# KiCad board oresat-backplane-2u.kicad_pcb (continued)
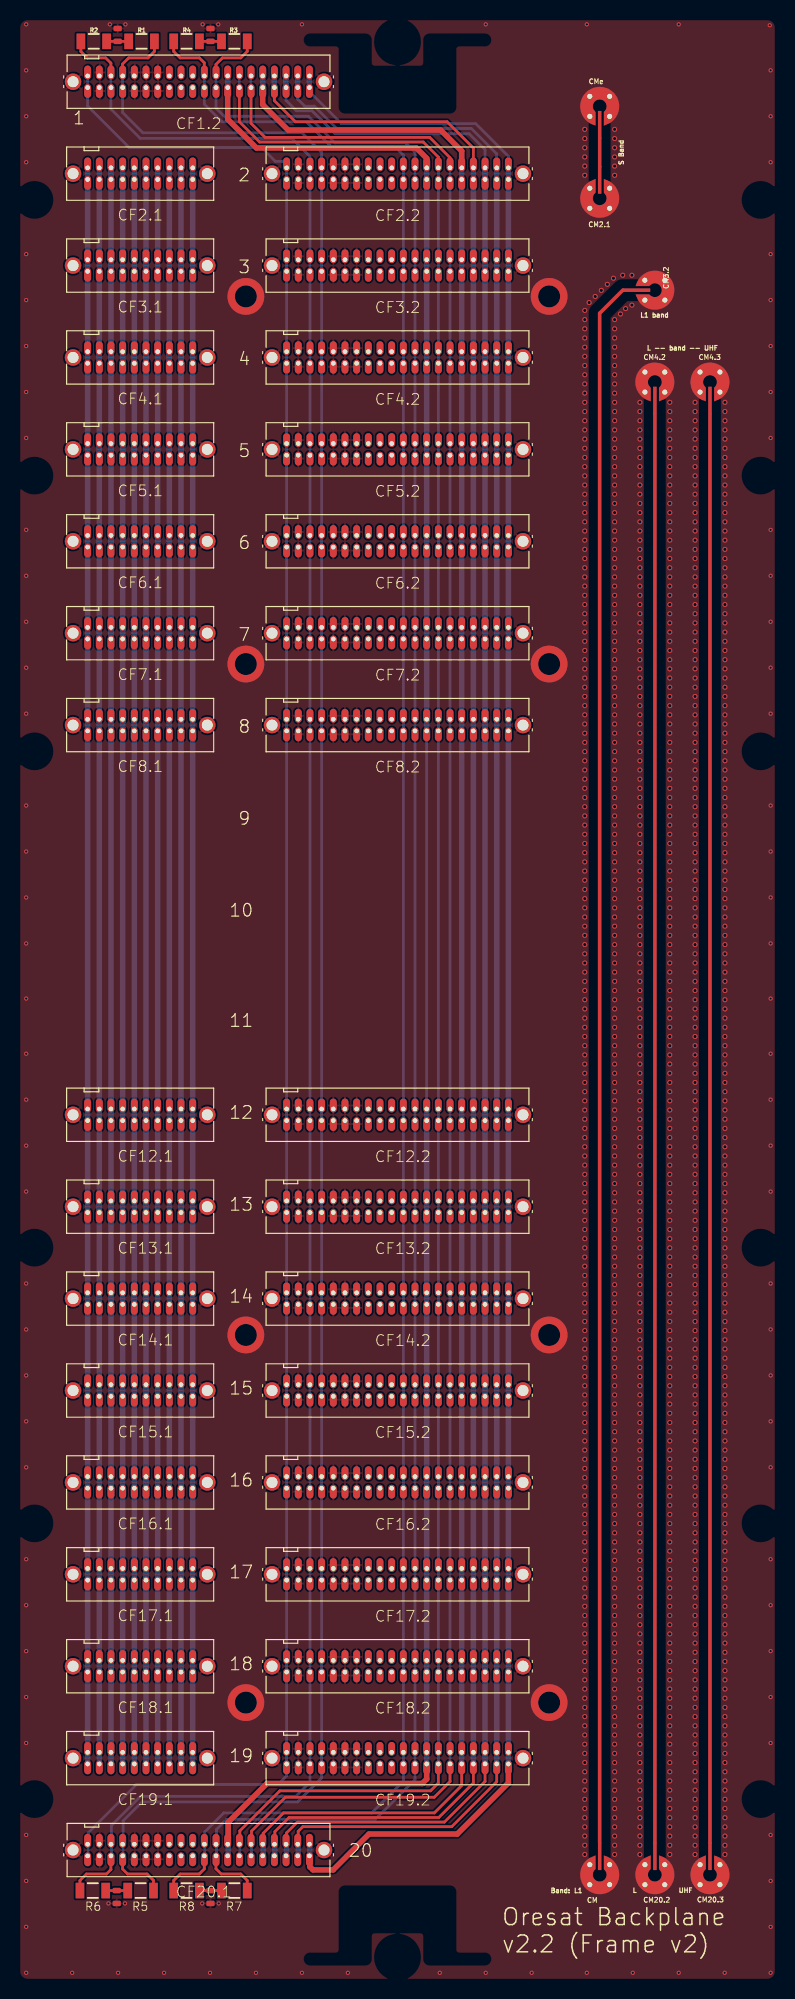
[diagram p0: board, top side]
## Routing (per net, layer and track width the routed paths; a pad name or vN(x,y) marks a point on that pad's centre or on a via; arc(x,y) is an arc through that point)
GND:
  vias: v1(61.63,201.43) v1(61.63,200.43) v1(61.63,199.43) v1(61.63,198.43) v1(61.63,197.43) v1(61.63,196.43) v1(61.63,181.73) v1(61.63,180.73) v1(61.63,179.73) v1(61.63,178.73) v1(61.63,177.73) v1(61.63,176.73) v1(61.63,175.73) v1(61.63,174.73) v1(61.63,173.73) v1(61.63,172.73) v1(61.63,171.73) v1(61.63,170.73) v1(61.63,169.73) v1(61.63,168.73) v1(61.63,167.73) v1(61.63,166.73) v1(61.63,165.73) v1(61.63,164.73) v1(61.63,163.73) v1(61.63,162.73) v1(61.63,161.73) v1(61.63,160.73) v1(61.63,159.73) v1(61.63,158.73) v1(61.63,157.73) v1(61.63,156.73) v1(61.63,155.73) v1(61.63,154.73) v1(61.63,153.73) v1(61.63,152.73) v1(61.63,151.73) v1(61.63,150.73) v1(61.63,149.73) v1(61.63,148.73) v1(61.63,147.73) v1(61.63,146.73) v1(61.63,145.73) v1(61.63,144.73) v1(61.63,143.73) v1(61.63,142.73) v1(61.63,141.73) v1(61.63,140.73) v1(61.63,139.73) v1(61.63,138.73) v1(61.63,137.73) v1(61.63,136.73) v1(61.63,135.73) v1(61.63,134.73) v1(61.63,133.73) v1(61.63,132.73) v1(61.63,131.73) v1(61.63,130.73) v1(61.63,129.73) v1(61.63,128.73) v1(61.63,127.73) v1(61.63,126.73) v1(61.63,125.73) v1(61.63,124.73) v1(61.63,123.73) v1(61.63,122.73) v1(61.63,121.73) v1(61.63,120.73) v1(61.63,119.73) v1(61.63,118.73) v1(61.63,117.73) v1(61.63,116.73) v1(61.63,115.73) v1(61.63,114.73) v1(61.63,113.73) v1(61.63,112.73) v1(61.63,111.73) v1(61.63,110.73) v1(61.63,109.73) v1(61.63,108.73) v1(61.63,107.73) v1(61.63,106.73) v1(61.63,105.73) v1(61.63,104.73) v1(61.63,103.73) v1(61.63,102.73) v1(61.63,101.73) v1(61.63,100.73) v1(61.63,99.73) v1(61.63,98.73) v1(61.63,97.73) v1(61.63,96.73) v1(61.63,95.73) v1(61.63,94.73) v1(61.63,93.73) v1(61.63,92.73) v1(61.63,91.73) v1(61.63,90.73) v1(61.63,89.73) v1(61.63,88.73) v1(61.63,87.73) v1(61.63,86.73) v1(61.63,85.73) v1(61.63,84.73) v1(61.63,83.73) v1(61.63,82.73) v1(61.63,81.73) v1(61.63,80.73) v1(61.63,79.73) v1(61.63,78.73) v1(61.63,77.73) v1(61.63,76.73) v1(61.63,75.73) v1(61.63,74.73) v1(61.63,73.73) v1(61.63,72.73) v1(61.63,71.73) v1(61.63,70.73) v1(61.63,69.73) v1(61.63,68.73) v1(61.63,67.73) v1(61.63,66.73) v1(61.63,65.73) v1(61.63,64.73) v1(61.63,63.73) v1(61.63,62.73) v1(61.63,61.73) v1(61.63,60.73) v1(61.63,59.73) v1(61.63,58.73) v1(61.63,57.73) v1(61.63,56.73) v1(61.63,55.73) v1(61.63,54.73) v1(61.63,53.73) v1(61.63,52.73) v1(61.63,51.73) v1(61.63,50.73) v1(61.63,49.73) v1(61.63,48.73) v1(61.63,47.73) v1(61.63,46.73) v1(61.63,45.73) v1(61.63,44.73) v1(61.63,43.73) v1(61.63,42.73) v1(61.63,41.73) v1(61.63,40.73) v1(61.63,39.73) v1(61.63,38.73) v1(61.63,37.73) v1(61.63,36.73) v1(61.63,35.73) v1(61.63,34.73) v1(61.63,33.73) v1(61.63,32.73) v1(61.63,31.73) v1(61.63,30.73) v1(61.63,29.73) v1(61.63,28.73) v1(61.63,27.73) v1(61.63,26.73) v1(61.63,25.73) v1(61.63,24.73) v1(61.63,23.73) v1(61.63,22.73) v1(61.63,21.73) v1(61.63,20.73) v1(61.63,19.73) v1(61.63,18.73) v1(61.63,17.73) v1(61.63,16.73) v1(61.63,15.73) v1(61.63,14.73) v1(61.63,13.73) v1(62.1,182.58) v1(62.76,183.24) v1(63.42,183.9) v1(64.08,184.57) v1(64.75,185.23) v1(64.88,201.43) v1(64.88,200.43) v1(64.88,199.43) v1(64.88,198.43) v1(64.88,197.43) v1(64.88,196.43) v1(64.88,180.73) v1(64.88,179.73) v1(64.88,178.73) v1(64.88,177.73) v1(64.88,176.73) v1(64.88,175.73) v1(64.88,174.73) v1(64.88,173.73) v1(64.88,172.73) v1(64.88,171.73) v1(64.88,170.73) v1(64.88,169.73) v1(64.88,168.73) v1(64.88,167.73) v1(64.88,166.73) v1(64.88,165.73) v1(64.88,164.73) v1(64.88,163.73) v1(64.88,162.73) v1(64.88,161.73) v1(64.88,160.73) v1(64.88,159.73) v1(64.88,158.73) v1(64.88,157.73) v1(64.88,156.73) v1(64.88,155.73) v1(64.88,154.73) v1(64.88,153.73) v1(64.88,152.73) v1(64.88,151.73) v1(64.88,150.73) v1(64.88,149.73) v1(64.88,148.73) v1(64.88,147.73) v1(64.88,146.73) v1(64.88,145.73) v1(64.88,144.73) v1(64.88,143.73) v1(64.88,142.73) v1(64.88,141.73) v1(64.88,140.73) v1(64.88,139.73) v1(64.88,138.73) v1(64.88,137.73) v1(64.88,136.73) v1(64.88,135.73) v1(64.88,134.73) v1(64.88,133.73) v1(64.88,132.73) v1(64.88,131.73) v1(64.88,130.73) v1(64.88,129.73) v1(64.88,128.73) v1(64.88,127.73) v1(64.88,126.73) v1(64.88,125.73) v1(64.88,124.73) v1(64.88,123.73) v1(64.88,122.73) v1(64.88,121.73) v1(64.88,120.73) v1(64.88,119.73) v1(64.88,118.73) v1(64.88,117.73) v1(64.88,116.73) v1(64.88,115.73) v1(64.88,114.73) v1(64.88,113.73) v1(64.88,112.73) v1(64.88,111.73) v1(64.88,110.73) v1(64.88,109.73) v1(64.88,108.73) v1(64.88,107.73) v1(64.88,106.73) v1(64.88,105.73) v1(64.88,104.73) v1(64.88,103.73) v1(64.88,102.73) v1(64.88,101.73) v1(64.88,100.73) v1(64.88,99.73) v1(64.88,98.73) v1(64.88,97.73) v1(64.88,96.73) v1(64.88,95.73) v1(64.88,94.73) v1(64.88,93.73) v1(64.88,92.73) v1(64.88,91.73) v1(64.88,90.73) v1(64.88,89.73) v1(64.88,88.73) v1(64.88,87.73) v1(64.88,86.73) v1(64.88,85.73) v1(64.88,84.73) v1(64.88,83.73) v1(64.88,82.73) v1(64.88,81.73) v1(64.88,80.73) v1(64.88,79.73) v1(64.88,78.73) v1(64.88,77.73) v1(64.88,76.73) v1(64.88,75.73) v1(64.88,74.73) v1(64.88,73.73) v1(64.88,72.73) v1(64.88,71.73) v1(64.88,70.73) v1(64.88,69.73) v1(64.88,68.73) v1(64.88,67.73) v1(64.88,66.73) v1(64.88,65.73) v1(64.88,64.73) v1(64.88,63.73) v1(64.88,62.73) v1(64.88,61.73) v1(64.88,60.73) v1(64.88,59.73) v1(64.88,58.73) v1(64.88,57.73) v1(64.88,56.73) v1(64.88,55.73) v1(64.88,54.73) v1(64.88,53.73) v1(64.88,52.73) v1(64.88,51.73) v1(64.88,50.73) v1(64.88,49.73) v1(64.88,48.73) v1(64.88,47.73) v1(64.88,46.73) v1(64.88,45.73) v1(64.88,44.73) v1(64.88,43.73) v1(64.88,42.73) v1(64.88,41.73) v1(64.88,40.73) v1(64.88,39.73) v1(64.88,38.73) v1(64.88,37.73) v1(64.88,36.73) v1(64.88,35.73) v1(64.88,34.73) v1(64.88,33.73) v1(64.88,32.73) v1(64.88,31.73) v1(64.88,30.73) v1(64.88,29.73) v1(64.88,28.73) v1(64.88,27.73) v1(64.88,26.73) v1(64.88,25.73) v1(64.88,24.73) v1(64.88,23.73) v1(64.88,22.73) v1(64.88,21.73) v1(64.88,20.73) v1(64.88,19.73) v1(64.88,18.73) v1(64.88,17.73) v1(64.88,16.73) v1(64.88,15.73) v1(64.88,14.73) v1(64.88,13.73) v1(65.51,181.34) v1(65.75,185.55) v1(66.07,181.92) v1(66.75,185.55) v1(66.75,182.3) v1(67.63,171.73) v1(67.63,170.73) v1(67.63,169.73) v1(67.63,168.73) v1(67.63,167.73) v1(67.63,166.73) v1(67.63,165.73) v1(67.63,164.73) v1(67.63,163.73) v1(67.63,162.73) v1(67.63,161.73) v1(67.63,160.73) v1(67.63,159.73) v1(67.63,158.73) v1(67.63,157.73) v1(67.63,156.73) v1(67.63,155.73) v1(67.63,154.73) v1(67.63,153.73) v1(67.63,152.73) v1(67.63,151.73) v1(67.63,150.73) v1(67.63,149.73) v1(67.63,148.73) v1(67.63,147.73) v1(67.63,146.73) v1(67.63,145.73) v1(67.63,144.73) v1(67.63,143.73) v1(67.63,142.73) v1(67.63,141.73) v1(67.63,140.73) v1(67.63,139.73) v1(67.63,138.73) v1(67.63,137.73) v1(67.63,136.73) v1(67.63,135.73) v1(67.63,134.73) v1(67.63,133.73) v1(67.63,132.73) v1(67.63,131.73) v1(67.63,130.73) v1(67.63,129.73) v1(67.63,128.73) v1(67.63,127.73) v1(67.63,126.73) v1(67.63,125.73) v1(67.63,124.73) v1(67.63,123.73) v1(67.63,122.73) v1(67.63,121.73) v1(67.63,120.73) v1(67.63,119.73) v1(67.63,118.73) v1(67.63,117.73) v1(67.63,116.73) v1(67.63,115.73) v1(67.63,114.73) v1(67.63,113.73) v1(67.63,112.73) v1(67.63,111.73) v1(67.63,110.73) v1(67.63,109.73) v1(67.63,108.73) v1(67.63,107.73) v1(67.63,106.73) v1(67.63,105.73) v1(67.63,104.73) v1(67.63,103.73) v1(67.63,102.73) v1(67.63,101.73) v1(67.63,100.73) v1(67.63,99.73) v1(67.63,98.73) v1(67.63,97.73) v1(67.63,96.73) v1(67.63,95.73) v1(67.63,94.73) v1(67.63,93.73) v1(67.63,92.73) v1(67.63,91.73) v1(67.63,90.73) v1(67.63,89.73) v1(67.63,88.73) v1(67.63,87.73) v1(67.63,86.73) v1(67.63,85.73) v1(67.63,84.73) v1(67.63,83.73) v1(67.63,82.73) v1(67.63,81.73) v1(67.63,80.73) v1(67.63,79.73) v1(67.63,78.73) v1(67.63,77.73) v1(67.63,76.73) v1(67.63,75.73) v1(67.63,74.73) v1(67.63,73.73) v1(67.63,72.73) v1(67.63,71.73) v1(67.63,70.73) v1(67.63,69.73) v1(67.63,68.73) v1(67.63,67.73) v1(67.63,66.73) v1(67.63,65.73) v1(67.63,64.73) v1(67.63,63.73) v1(67.63,62.73) v1(67.63,61.73) v1(67.63,60.73) v1(67.63,59.73) v1(67.63,58.73) v1(67.63,57.73) v1(67.63,56.73) v1(67.63,55.73) v1(67.63,54.73) v1(67.63,53.73) v1(67.63,52.73) v1(67.63,51.73) v1(67.63,50.73) v1(67.63,49.73) v1(67.63,48.73) v1(67.63,47.73) v1(67.63,46.73) v1(67.63,45.73) v1(67.63,44.73) v1(67.63,43.73) v1(67.63,42.73) v1(67.63,41.73) v1(67.63,40.73) v1(67.63,39.73) v1(67.63,38.73) v1(67.63,37.73) v1(67.63,36.73) v1(67.63,35.73) v1(67.63,34.73) v1(67.63,33.73) v1(67.63,32.73) v1(67.63,31.73) v1(67.63,30.73) v1(67.63,29.73) v1(67.63,28.73) v1(67.63,27.73) v1(67.63,26.73) v1(67.63,25.73) v1(67.63,24.73) v1(67.63,23.73) v1(67.63,22.73) v1(67.63,21.73) v1(67.63,20.73) v1(67.63,19.73) v1(67.63,18.73) v1(67.63,17.73) v1(67.63,16.73) v1(67.63,15.73) v1(67.63,14.73) v1(67.63,13.73) v1(70.88,171.73) v1(70.88,170.73) v1(70.88,169.73) v1(70.88,168.73) v1(70.88,167.73) v1(70.88,166.73) v1(70.88,165.73) v1(70.88,164.73) v1(70.88,163.73) v1(70.88,162.73) v1(70.88,161.73) v1(70.88,160.73) v1(70.88,159.73) v1(70.88,158.73) v1(70.88,157.73) v1(70.88,156.73) v1(70.88,155.73) v1(70.88,154.73) v1(70.88,153.73) v1(70.88,152.73) v1(70.88,151.73) v1(70.88,150.73) v1(70.88,149.73) v1(70.88,148.73) v1(70.88,147.73) v1(70.88,146.73) v1(70.88,145.73) v1(70.88,144.73) v1(70.88,143.73) v1(70.88,142.73) v1(70.88,141.73) v1(70.88,140.73) v1(70.88,139.73) v1(70.88,138.73) v1(70.88,137.73) v1(70.88,136.73) v1(70.88,135.73) v1(70.88,134.73) v1(70.88,133.73) v1(70.88,132.73) v1(70.88,131.73) v1(70.88,130.73) v1(70.88,129.73) v1(70.88,128.73) v1(70.88,127.73) v1(70.88,126.73) v1(70.88,125.73) v1(70.88,124.73) v1(70.88,123.73) v1(70.88,122.73) v1(70.88,121.73) v1(70.88,120.73) v1(70.88,119.73) v1(70.88,118.73) v1(70.88,117.73) v1(70.88,116.73) v1(70.88,115.73) v1(70.88,114.73) v1(70.88,113.73) v1(70.88,112.73) v1(70.88,111.73) v1(70.88,110.73) v1(70.88,109.73) v1(70.88,108.73) v1(70.88,107.73) v1(70.88,106.73) v1(70.88,105.73) v1(70.88,104.73) v1(70.88,103.73) v1(70.88,102.73) v1(70.88,101.73) v1(70.88,100.73) v1(70.88,99.73) v1(70.88,98.73) v1(70.88,97.73) v1(70.88,96.73) v1(70.88,95.73) v1(70.88,94.73) v1(70.88,93.73) v1(70.88,92.73) v1(70.88,91.73) v1(70.88,90.73) v1(70.88,89.73) v1(70.88,88.73) v1(70.88,87.73) v1(70.88,86.73) v1(70.88,85.73) v1(70.88,84.73) v1(70.88,83.73) v1(70.88,82.73) v1(70.88,81.73) v1(70.88,80.73) v1(70.88,79.73) v1(70.88,78.73) v1(70.88,77.73) v1(70.88,76.73) v1(70.88,75.73) v1(70.88,74.73) v1(70.88,73.73) v1(70.88,72.73) v1(70.88,71.73) v1(70.88,70.73) v1(70.88,69.73) v1(70.88,68.73) v1(70.88,67.73) v1(70.88,66.73) v1(70.88,65.73) v1(70.88,64.73) v1(70.88,63.73) v1(70.88,62.73) v1(70.88,61.73) v1(70.88,60.73) v1(70.88,59.73) v1(70.88,58.73) v1(70.88,57.73) v1(70.88,56.73) v1(70.88,55.73) v1(70.88,54.73) v1(70.88,53.73) v1(70.88,52.73) v1(70.88,51.73) v1(70.88,50.73) v1(70.88,49.73) v1(70.88,48.73) v1(70.88,47.73) v1(70.88,46.73) v1(70.88,45.73) v1(70.88,44.73) v1(70.88,43.73) v1(70.88,42.73) v1(70.88,41.73) v1(70.88,40.73) v1(70.88,39.73) v1(70.88,38.73) v1(70.88,37.73) v1(70.88,36.73) v1(70.88,35.73) v1(70.88,34.73) v1(70.88,33.73) v1(70.88,32.73) v1(70.88,31.73) v1(70.88,30.73) v1(70.88,29.73) v1(70.88,28.73) v1(70.88,27.73) v1(70.88,26.73) v1(70.88,25.73) v1(70.88,24.73) v1(70.88,23.73) v1(70.88,22.73) v1(70.88,21.73) v1(70.88,20.73) v1(70.88,19.73) v1(70.88,18.73) v1(70.88,17.73) v1(70.88,16.73) v1(70.88,15.73) v1(70.88,14.73) v1(70.88,13.73) v1(73.63,171.73) v1(73.63,170.73) v1(73.63,169.73) v1(73.63,168.73) v1(73.63,167.73) v1(73.63,166.73) v1(73.63,165.73) v1(73.63,164.73) v1(73.63,163.73) v1(73.63,162.73) v1(73.63,161.73) v1(73.63,160.73) v1(73.63,159.73) v1(73.63,158.73) v1(73.63,157.73) v1(73.63,156.73) v1(73.63,155.73) v1(73.63,154.73) v1(73.63,153.73) v1(73.63,152.73) v1(73.63,151.73) v1(73.63,150.73) v1(73.63,149.73) v1(73.63,148.73) v1(73.63,147.73) v1(73.63,146.73) v1(73.63,145.73) v1(73.63,144.73) v1(73.63,143.73) v1(73.63,142.73) v1(73.63,141.73) v1(73.63,140.73) v1(73.63,139.73) v1(73.63,138.73) v1(73.63,137.73) v1(73.63,136.73) v1(73.63,135.73) v1(73.63,134.73) v1(73.63,133.73) v1(73.63,132.73) v1(73.63,131.73) v1(73.63,130.73) v1(73.63,129.73) v1(73.63,128.73) v1(73.63,127.73) v1(73.63,126.73) v1(73.63,125.73) v1(73.63,124.73) v1(73.63,123.73) v1(73.63,122.73) v1(73.63,121.73) v1(73.63,120.73) v1(73.63,119.73) v1(73.63,118.73) v1(73.63,117.73) v1(73.63,116.73) v1(73.63,115.73) v1(73.63,114.73) v1(73.63,113.73) v1(73.63,112.73) v1(73.63,111.73) v1(73.63,110.73) v1(73.63,109.73) v1(73.63,108.73) v1(73.63,107.73) v1(73.63,106.73) v1(73.63,105.73) v1(73.63,104.73) v1(73.63,103.73) v1(73.63,102.73) v1(73.63,101.73) v1(73.63,100.73) v1(73.63,99.73) v1(73.63,98.73) v1(73.63,97.73) v1(73.63,96.73) v1(73.63,95.73) v1(73.63,94.73) v1(73.63,93.73) v1(73.63,92.73) v1(73.63,91.73) v1(73.63,90.73) v1(73.63,89.73) v1(73.63,88.73) v1(73.63,87.73) v1(73.63,86.73) v1(73.63,85.73) v1(73.63,84.73) v1(73.63,83.73) v1(73.63,82.73) v1(73.63,81.73) v1(73.63,80.73) v1(73.63,79.73) v1(73.63,78.73) v1(73.63,77.73) v1(73.63,76.73) v1(73.63,75.73) v1(73.63,74.73) v1(73.63,73.73) v1(73.63,72.73) v1(73.63,71.73) v1(73.63,70.73) v1(73.63,69.73) v1(73.63,68.73) v1(73.63,67.73) v1(73.63,66.73) v1(73.63,65.73) v1(73.63,64.73) v1(73.63,63.73) v1(73.63,62.73) v1(73.63,61.73) v1(73.63,60.73) v1(73.63,59.73) v1(73.63,58.73) v1(73.63,57.73) v1(73.63,56.73) v1(73.63,55.73) v1(73.63,54.73) v1(73.63,53.73) v1(73.63,52.73) v1(73.63,51.73) v1(73.63,50.73) v1(73.63,49.73) v1(73.63,48.73) v1(73.63,47.73) v1(73.63,46.73) v1(73.63,45.73) v1(73.63,44.73) v1(73.63,43.73) v1(73.63,42.73) v1(73.63,41.73) v1(73.63,40.73) v1(73.63,39.73) v1(73.63,38.73) v1(73.63,37.73) v1(73.63,36.73) v1(73.63,35.73) v1(73.63,34.73) v1(73.63,33.73) v1(73.63,32.73) v1(73.63,31.73) v1(73.63,30.73) v1(73.63,29.73) v1(73.63,28.73) v1(73.63,27.73) v1(73.63,26.73) v1(73.63,25.73) v1(73.63,24.73) v1(73.63,23.73) v1(73.63,22.73) v1(73.63,21.73) v1(73.63,20.73) v1(73.63,19.73) v1(73.63,18.73) v1(73.63,17.73) v1(73.63,16.73) v1(73.63,15.73) v1(73.63,14.73) v1(73.63,13.73) v1(76.88,171.73) v1(76.88,170.73) v1(76.88,169.73) v1(76.88,168.73) v1(76.88,167.73) v1(76.88,166.73) v1(76.88,165.73) v1(76.88,164.73) v1(76.88,163.73) v1(76.88,162.73) v1(76.88,161.73) v1(76.88,160.73) v1(76.88,159.73) v1(76.88,158.73) v1(76.88,157.73) v1(76.88,156.73) v1(76.88,155.73) v1(76.88,154.73) v1(76.88,153.73) v1(76.88,152.73) v1(76.88,151.73) v1(76.88,150.73) v1(76.88,149.73) v1(76.88,148.73) v1(76.88,147.73) v1(76.88,146.73) v1(76.88,145.73) v1(76.88,144.73) v1(76.88,143.73) v1(76.88,142.73) v1(76.88,141.73) v1(76.88,140.73) v1(76.88,139.73) v1(76.88,138.73) v1(76.88,137.73) v1(76.88,136.73) v1(76.88,135.73) v1(76.88,134.73) v1(76.88,133.73) v1(76.88,132.73) v1(76.88,131.73) v1(76.88,130.73) v1(76.88,129.73) v1(76.88,128.73) v1(76.88,127.73) v1(76.88,126.73) v1(76.88,125.73) v1(76.88,124.73) v1(76.88,123.73) v1(76.88,122.73) v1(76.88,121.73) v1(76.88,120.73) v1(76.88,119.73) v1(76.88,118.73) v1(76.88,117.73) v1(76.88,116.73) v1(76.88,115.73) v1(76.88,114.73) v1(76.88,113.73) v1(76.88,112.73) v1(76.88,111.73) v1(76.88,110.73) v1(76.88,109.73) v1(76.88,108.73) v1(76.88,107.73) v1(76.88,106.73) v1(76.88,105.73) v1(76.88,104.73) v1(76.88,103.73) v1(76.88,102.73) v1(76.88,101.73) v1(76.88,100.73) v1(76.88,99.73) v1(76.88,98.73) v1(76.88,97.73) v1(76.88,96.73) v1(76.88,95.73) v1(76.88,94.73) v1(76.88,93.73) v1(76.88,92.73) v1(76.88,91.73) v1(76.88,90.73) v1(76.88,89.73) v1(76.88,88.73) v1(76.88,87.73) v1(76.88,86.73) v1(76.88,85.73) v1(76.88,84.73) v1(76.88,83.73) v1(76.88,82.73) v1(76.88,81.73) v1(76.88,80.73) v1(76.88,79.73) v1(76.88,78.73) v1(76.88,77.73) v1(76.88,76.73) v1(76.88,75.73) v1(76.88,74.73) v1(76.88,73.73) v1(76.88,72.73) v1(76.88,71.73) v1(76.88,70.73) v1(76.88,69.73) v1(76.88,68.73) v1(76.88,67.73) v1(76.88,66.73) v1(76.88,65.73) v1(76.88,64.73) v1(76.88,63.73) v1(76.88,62.73) v1(76.88,61.73) v1(76.88,60.73) v1(76.88,59.73) v1(76.88,58.73) v1(76.88,57.73) v1(76.88,56.73) v1(76.88,55.73) v1(76.88,54.73) v1(76.88,53.73) v1(76.88,52.73) v1(76.88,51.73) v1(76.88,50.73) v1(76.88,49.73) v1(76.88,48.73) v1(76.88,47.73) v1(76.88,46.73) v1(76.88,45.73) v1(76.88,44.73) v1(76.88,43.73) v1(76.88,42.73) v1(76.88,41.73) v1(76.88,40.73) v1(76.88,39.73) v1(76.88,38.73) v1(76.88,37.73) v1(76.88,36.73) v1(76.88,35.73) v1(76.88,34.73) v1(76.88,33.73) v1(76.88,32.73) v1(76.88,31.73) v1(76.88,30.73) v1(76.88,29.73) v1(76.88,28.73) v1(76.88,27.73) v1(76.88,26.73) v1(76.88,25.73) v1(76.88,24.73) v1(76.88,23.73) v1(76.88,22.73) v1(76.88,21.73) v1(76.88,20.73) v1(76.88,19.73) v1(76.88,18.73) v1(76.88,17.73) v1(76.88,16.73) v1(76.88,15.73) v1(76.88,14.73) v1(76.88,13.73) v2(24.75,183.25) v2(24.75,143.25) v2(24.75,70.25) v2(24.75,30.25) v2(57.75,183.25) v2(57.75,143.25) v2(57.75,70.25) v2(57.75,30.25) v3(0.85,212.85) v3(0.85,207.85) v3(0.85,202.85) v3(0.85,197.85) v3(0.85,187.85) v3(0.85,182.85) v3(0.85,177.85) v3(0.85,172.85) v3(0.85,167.85) v3(0.85,157.85) v3(0.85,152.85) v3(0.85,147.85) v3(0.85,142.85) v3(0.85,137.85) v3(0.85,127.85) v3(0.85,122.85) v3(0.85,117.85) v3(0.85,112.85) v3(0.85,106.85) v3(0.85,100.85) v3(0.85,95.85) v3(0.85,90.85) v3(0.85,85.85) v3(0.85,75.85) v3(0.85,70.85) v3(0.85,65.85) v3(0.85,60.85) v3(0.85,55.85) v3(0.85,45.85) v3(0.85,40.85) v3(0.85,35.85) v3(0.85,30.85) v3(0.85,25.85) v3(0.85,15.85) v3(0.85,10.85) v3(0.85,5.85) v3(0.85,0.85) v3(5.85,0.85) v3(9.8,8.4) v3(9.95,212.85) v3(10.85,0.85) v3(11.6,8.4) v3(11.65,212.85) v3(15.85,0.85) v3(20,8.4) v3(20.05,212.85) v3(20.85,0.85) v3(21.75,212.85) v3(21.8,8.4) v3(25.85,0.85) v3(30.85,212.85) v3(30.85,0.85) v3(35.85,0.85) v3(45.85,0.85) v3(50.85,212.85) v3(50.85,0.85) v3(55.85,0.85) v3(61.85,212.85) v3(61.85,0.85) v3(66.85,0.85) v3(71.85,212.85) v3(71.85,0.85) v3(76.85,0.85) v3(81.75,212.75) v3(81.85,207.85) v3(81.85,202.85) v3(81.85,197.85) v3(81.85,187.85) v3(81.85,182.85) v3(81.85,177.85) v3(81.85,172.85) v3(81.85,167.85) v3(81.85,157.85) v3(81.85,152.85) v3(81.85,147.85) v3(81.85,142.85) v3(81.85,137.85) v3(81.85,127.85) v3(81.85,122.85) v3(81.85,117.85) v3(81.85,112.85) v3(81.85,106.85) v3(81.85,100.85) v3(81.85,95.85) v3(81.85,90.85) v3(81.85,85.85) v3(81.85,75.85) v3(81.85,70.85) v3(81.85,65.85) v3(81.85,60.85) v3(81.85,55.85) v3(81.85,45.85) v3(81.85,40.85) v3(81.85,35.85) v3(81.85,30.85) v3(81.85,25.85) v3(81.85,15.85) v3(81.85,10.85) v3(81.85,5.85) v3(81.85,0.85)
AUX-1: length 173.7
  Bottom w0.6: 18.97,23.57 18.97,197.25
AUX-2: length 178.8
  Bottom w0.6: 17.7,197.25 17.7,175.97 ; 17.7,83.57 17.7,23.57 ; 17.7,83.57 17.7,155.97 ; 17.7,83.57 17.7,84.84 ; 17.7,167.25 17.7,165.97 ; 17.7,165.97 17.7,155.97 ; 17.7,165.97 17.7,175.97 ; 17.7,177.25 17.7,175.97 ; 17.7,155.97 17.7,157.25
AUX-3: length 180
  Bottom w0.6: 16.43,137.25 16.43,135.97 ; 16.43,135.97 16.43,23.57 ; 16.43,135.97 16.43,145.97 ; 16.43,175.97 16.43,197.25 ; 16.43,175.97 16.43,177.25 ; 16.43,175.97 16.43,165.97 ; 16.43,155.97 16.43,165.97 ; 16.43,155.97 16.43,157.25 ; 16.43,155.97 16.43,145.97 ; 16.43,165.97 16.43,167.25 ; 16.43,145.97 16.43,147.25
AUX-4: length 177.5
  Bottom w0.6: 15.16,155.97 15.16,23.57 ; 15.16,155.97 15.16,157.25 ; 15.16,155.97 15.16,165.97 ; 15.16,175.97 15.16,197.25 ; 15.16,175.97 15.16,177.25 ; 15.16,175.97 15.16,165.97 ; 15.16,167.25 15.16,165.97
AUX-5: length 178.7
  Bottom w0.6: 13.89,23.57 13.89,145.97 ; 13.89,177.25 13.89,175.97 ; 13.89,175.97 13.89,165.97 ; 13.89,175.97 13.89,197.25 ; 13.89,165.97 13.89,155.97 ; 13.89,165.97 13.89,167.25 ; 13.89,155.97 13.89,157.25 ; 13.89,155.97 13.89,145.97 ; 13.89,145.97 13.89,147.25
AUX-6: length 181.3
  Bottom w0.6: 12.62,167.25 12.62,165.97 ; 12.62,165.97 12.62,175.97 ; 12.62,165.97 12.62,155.97 ; 12.62,197.25 12.62,175.97 ; 12.62,175.97 12.62,177.25 ; 12.62,147.25 12.62,145.97 ; 12.62,145.97 12.62,135.97 ; 12.62,145.97 12.62,155.97 ; 12.62,157.25 12.62,155.97 ; 12.62,23.57 12.62,73.57 ; 12.62,73.57 12.62,74.84 ; 12.62,73.57 12.62,135.97 ; 12.62,137.25 12.62,135.97
AUX-7: length 180
  Bottom w0.6: 11.34,177.25 11.34,175.97 ; 11.34,175.97 11.34,165.97 ; 11.34,175.97 11.34,197.25 ; 11.34,155.97 11.34,165.97 ; 11.34,155.97 11.34,157.25 ; 11.34,155.97 11.34,145.97 ; 11.34,165.97 11.34,167.25 ; 11.34,135.97 11.34,145.97 ; 11.34,135.97 11.34,23.57 ; 11.34,135.97 11.34,137.25 ; 11.34,145.97 11.34,147.25
AUX-8: length 180
  Bottom w0.6: 10.08,145.97 10.08,155.97 ; 10.08,145.97 10.08,135.97 ; 10.08,145.97 10.08,147.25 ; 10.08,155.97 10.08,157.25 ; 10.08,155.97 10.08,165.97 ; 10.08,165.97 10.08,175.97 ; 10.08,165.97 10.08,167.25 ; 10.08,175.97 10.08,197.25 ; 10.08,175.97 10.08,177.25 ; 10.08,135.97 10.08,135.68 10.05,135.65 10.08,135.62 10.08,23.57 ; 10.08,135.97 10.08,137.25
AUX-9: length 182.6
  Bottom w0.6: 8.81,145.97 8.81,155.97 ; 8.81,145.97 8.81,147.25 ; 8.81,145.97 8.81,135.97 ; 8.81,155.97 8.81,165.97 ; 8.81,155.97 8.81,157.25 ; 8.81,84.84 8.81,83.57 ; 8.81,83.57 8.81,73.57 ; 8.81,83.57 8.81,135.97 ; 8.81,73.57 8.81,74.84 ; 8.81,73.57 8.81,23.57 ; 8.81,135.97 8.81,137.25 ; 8.81,197.25 8.81,175.97 ; 8.81,165.97 8.81,175.97 ; 8.81,165.97 8.81,167.25 ; 8.81,175.97 8.81,177.25
AUX-10: length 173.7
  Bottom w0.6: 7.53,23.57 7.53,197.25
CAN1_H: length 244.5
  Top w0.3: 11.34,13.57 11.34,12.14 11.88,11.6 14,11.6 14.7,10.9 R5.1 ; R1.1 14.8,209.9 14.1,209.2 12,209.2 11.34,208.54 11.34,207.3 11.4,207.25
  Bottom w0.3: 11.4,13.57 11.4,17.38 13.46,19.45 30.39,19.45 33,22.05 33,198.91 30.85,201.05 13.55,201.05 11.34,203.26 11.34,207.19 11.4,207.25
CAN1_L: length 243.9
  Top w0.3: R2.1 6.8,209.9 7.5,209.2 9.5,209.2 10.07,208.63 10.07,207.3 10.12,207.25 ; 10.07,13.57 10.07,12.08 9.59,11.6 7.4,11.6 6.7,10.9 R6.1
  Bottom w0.3: 10.12,207.25 10.07,207.19 10.07,203.63 13.25,200.45 29.75,200.45 31.72,198.47 31.72,21.59 30.18,20.05 13.29,20.05 10.12,16.88 10.12,13.57
CAN2_H: length 243.8
  Top w0.3: R7.1 24.9,10.9 24.2,11.6 22.06,11.6 21.5,12.16 21.5,13.57 ; 21.56,207.25 21.5,207.3 21.5,208.5 22.2,209.2 24.2,209.2 24.9,209.9 R3.1
  Bottom w0.3: 21.56,13.57 21.56,16.45 22.65,17.55 38.85,17.55 43.16,21.85 43.16,198.94 42.15,199.95 34.45,199.95 31.55,202.85 22.39,202.85 21.5,203.74 21.5,207.19 21.56,207.25
CAN2_L: length 243.2
  Top w0.3: 20.28,207.25 20.23,207.3 20.23,208.67 19.7,209.2 17.6,209.2 16.9,209.9 R4.1 ; R8.1 16.9,10.9 17.6,11.6 19.67,11.6 20.23,12.16 20.23,13.57
  Bottom w0.3: 20.28,207.25 20.23,207.19 20.23,204.17 22.15,202.25 31.35,202.25 34.25,199.35 41.15,199.35 41.89,198.61 41.89,21.69 38.45,18.25 22.35,18.25 20.28,16.19 20.28,13.57
L1-TURNSTILE: length 169.9
  Top w0.38: 63.24,181.41 63.24,15.05 ; 65.76,183.92 63.25,181.42
L-TURNSTILE: length 155.4
  Top w0.38: 69.25,15.03 69.25,170.42
OPD_PWR: length 231.7
  Top w0.6: 44.43,197.25 44.43,198.27 43.3,199.4 25.9,199.4 22.77,202.53 22.77,205.92 22.83,205.97 ; 22.83,14.84 22.83,17.22 27.05,21.45 43.95,21.45 44.43,21.92 44.43,23.57
  Bottom w0.3: 44.43,94.84 44.43,135.97
  Bottom w0.6: 44.43,135.97 44.43,197.25 ; 22.83,207.25 22.78,207.2 22.78,206.02 22.83,205.97 ; 22.83,14.84 22.83,13.57 ; 44.43,23.57 44.43,94.84
OPD_SCL: length 231.7
  Top w0.3: 24.09,205.97 24.04,205.92 24.04,202.26 26.25,200.05 44.05,200.05 45.7,198.41 45.7,197.25 ; 45.7,23.57 45.7,21.5 44.84,20.65 28.45,20.65 24.09,16.29 24.09,14.84
  Bottom w0.3: 24.09,14.84 24.09,13.57 ; 24.09,207.25 24.03,207.18 24.03,206.04 24.09,205.97 ; 45.7,23.57 45.7,197.25
OPD_SDA: length 232.9
  Top w0.3: 46.97,23.57 46.97,21.66 45.25,19.95 29.05,19.95 25.37,16.26 25.37,14.84 ; 25.37,205.97 25.31,205.92 25.31,202.09 26.85,200.55 44.75,200.55 46.97,198.33 46.97,197.25
  Bottom w0.3: 46.97,74.84 46.97,23.57 ; 46.97,74.84 46.97,197.25 ; 46.97,74.84 46.97,73.57 ; 25.37,207.25 25.3,207.18 25.3,206.04 25.37,205.97 ; 25.37,14.84 25.37,13.57
S-HELICAL: length 3
  Top w0.38: CM2.1.RF-DOWN CMe.RF-DOWN
SPARE1: length 231
  Top w0.3: 26.65,205.96 26.64,205.97 ; 26.64,14.84 26.64,16.03 28.85,18.25 45.25,18.25 48.24,21.23 48.24,23.57
  Top w0.6: 48.24,197.25 48.24,199.06 45.95,201.35 29.35,201.35 26.58,204.12 26.58,205.89 26.65,205.96
  Bottom w0.6: 26.64,205.97 26.59,206.02 26.59,207.2 26.64,207.25 ; 48.24,197.25 48.24,23.57 ; 26.64,13.57 26.64,14.84
SPARE2: length 230.9
  Top w0.3: 49.5,197.25 49.5,199.39 46.65,202.25 30.15,202.25 27.85,204.55 27.85,205.97 27.85,205.97 27.91,205.97 ; 27.91,14.84 27.91,16.2 29.45,17.75 45.75,17.75 49.5,21.5 49.5,23.57
  Bottom w0.6: 27.91,207.25 27.84,207.18 27.84,206.04 27.91,205.97 ; 49.5,197.25 49.5,23.57 ; 27.91,13.57 27.91,14.84
SPARE3: length 230.6
  Top w0.3: 29.18,14.84 29.18,16.07 30.35,17.25 46.35,17.25 50.78,21.67 50.78,23.57
  Bottom w0.3: 29.18,205.97 29.12,205.92 29.12,204.58 30.25,203.45 31.95,203.45 34.45,200.95 49.05,200.95 50.78,199.22 50.78,197.25
  Bottom w0.6: 50.78,23.57 50.78,197.25 ; 29.18,13.57 29.18,14.84 ; 29.18,207.25 29.11,207.18 29.11,206.04 29.18,205.97
SPARE4: length 230.4
  Top w0.3: 52.05,23.57 52.05,21.64 47.15,16.75 30.95,16.75 30.45,16.25 30.45,14.84
  Bottom w0.3: 52.05,197.25 52.05,198.75 52.05,198.75 49.28,201.52 34.63,201.52 32.2,203.95 31.15,203.95 30.39,204.71 30.39,205.92 30.45,205.97
  Bottom w0.6: 52.05,23.57 52.05,197.25 ; 30.45,205.97 30.38,206.04 30.38,207.18 30.45,207.25 ; 30.45,13.57 30.45,14.84
SPARE5: length 231.4
  Top w0.6: 31.72,13.57 31.72,12.38 32.05,12.05 34.25,12.05 38.15,15.95 47.75,15.95 53.31,21.51 53.31,23.57
  Bottom w0.3: 31.72,205.97 31.75,205.94 31.75,205.45 35.15,202.05 49.75,202.05 53.31,198.48 53.31,197.25
  Bottom w0.6: 53.31,197.25 53.31,23.57 ; 31.72,207.25 31.65,207.18 31.65,206.04 31.72,205.97 ; 31.72,13.57 31.72,14.84
UHF-TURNSTILE: length 155.4
  Top w0.38: 75.25,15.03 75.25,170.43
~{SD}: length 229.8
  Bottom w0.3: 7.59,207.25 7.54,207.2 7.54,205.99 7.53,205.97 7.53,203.97 12.05,199.45 26.45,199.45 27.96,197.94 29.19,197.94 29.19,22.28 28.24,21.34 12.85,21.34 7.59,16.07 7.59,13.57
Net-(C1-Pad1): length 2.4
  Top w0.3: R2.2 C1.1 R1.2
Net-(C2-Pad1): length 2.4
  Top w0.3: R4.2 C2.1 R3.2
Net-(C3-Pad1): length 2.4
  Top w0.3: R5.2 C3.1 R6.2
Net-(C4-Pad1): length 2.4
  Top w0.3: R8.2 C4.1 R7.2

## Copper pours and planes (outline as drawn; the poured copper is in the pictures)
GND on Top: 82.58,-0.08 -0.08,-0.08 -0.08,213.58 82.58,213.58
GND on Bottom: 82.58,-0.08 -0.08,-0.08 -0.08,213.58 82.58,213.58
GND on In1.Cu: 82.58,-0.08 -0.08,-0.08 -0.08,213.58 82.58,213.58
GND on In2.Cu: 82.58,-0.08 -0.08,-0.08 -0.08,213.58 82.58,213.58
VBUS on In2.Cu: 19.62,204.09 21.59,202.35 38.99,202.35 41.45,199.89 41.45,21.21 37.59,17.35 21.99,17.35 19.75,15.11 19.75,12.75 15.75,12.75 15.75,17.79 19.21,21.25 36.41,21.25 37.25,22.09 37.25,197.71 36.71,198.25 19.51,198.25 15.83,202.11 15.83,207.95 19.62,207.95

## Text on the board
B.Silkscreen: 1 | 2 | 3 | 4 | 5 | 6 | 7 | 8 | 9 | 10 | 11 | 12 | 13 | 14 | 15 | 16 | 17 | 18 | 19 | 20 | ${TITLE} / ${REVISION}
User.Comments: 1u Frame
Top: CHECK TSTOP: OTHER CHANGES?
F.Silkscreen: Band: | L1 | L | L1 band | L -- band -- UHF | UHF | S Band | 1 | 10 | 11 | 12 | 13 | 14 | 15 | 16 | 17 | 18 | 19 | 2 | 3 | 4 | 5 | 6 | 7 | 8 | 9 | 20 | ${TITLE} / ${REVISION}
